# Altium PCB LeVentilateur.PcbDoc (part 1 of 2)
Units mm, origin at the board's own origin, x right, y up, seen from the top; angles counter-clockwise.
Board outline 207.39 x 152.65 mm, 2 copper layers (Top Layer, Bottom Layer); 161 components, 122 nets, 550 pads, 181 vias.
Unrouted connection lines stored in the file: 6.
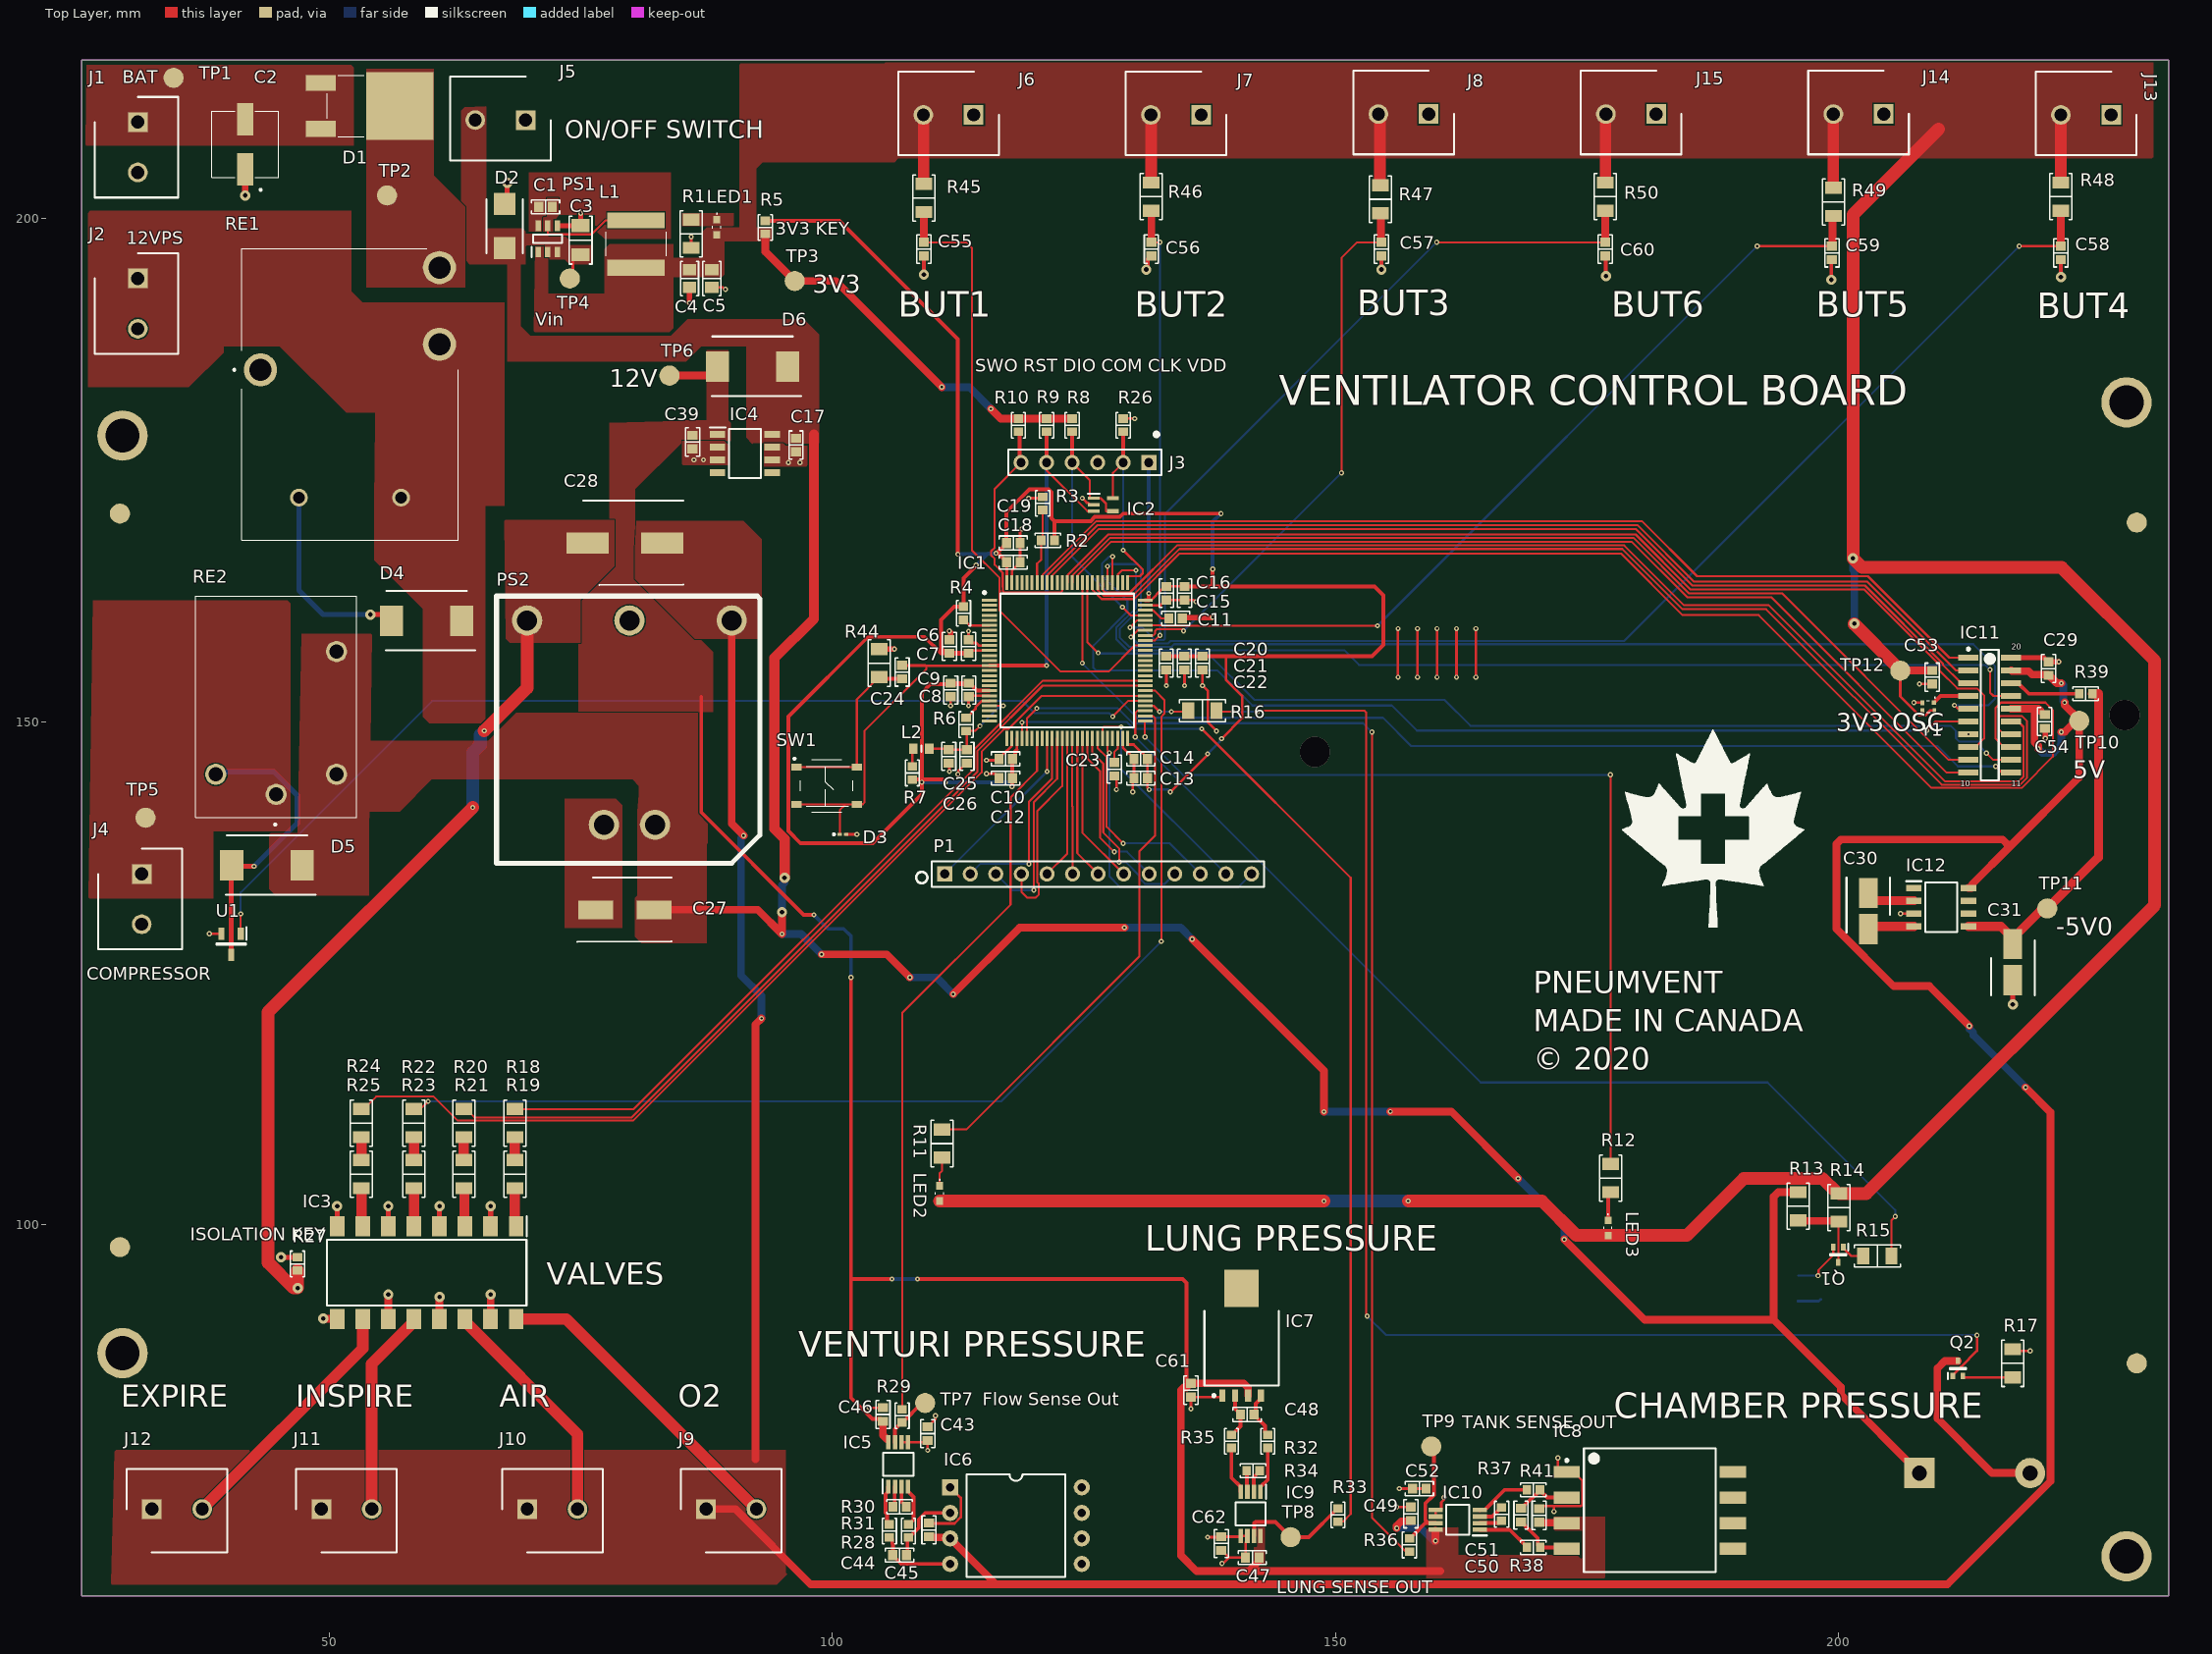
[diagram p0: Top Layer view]
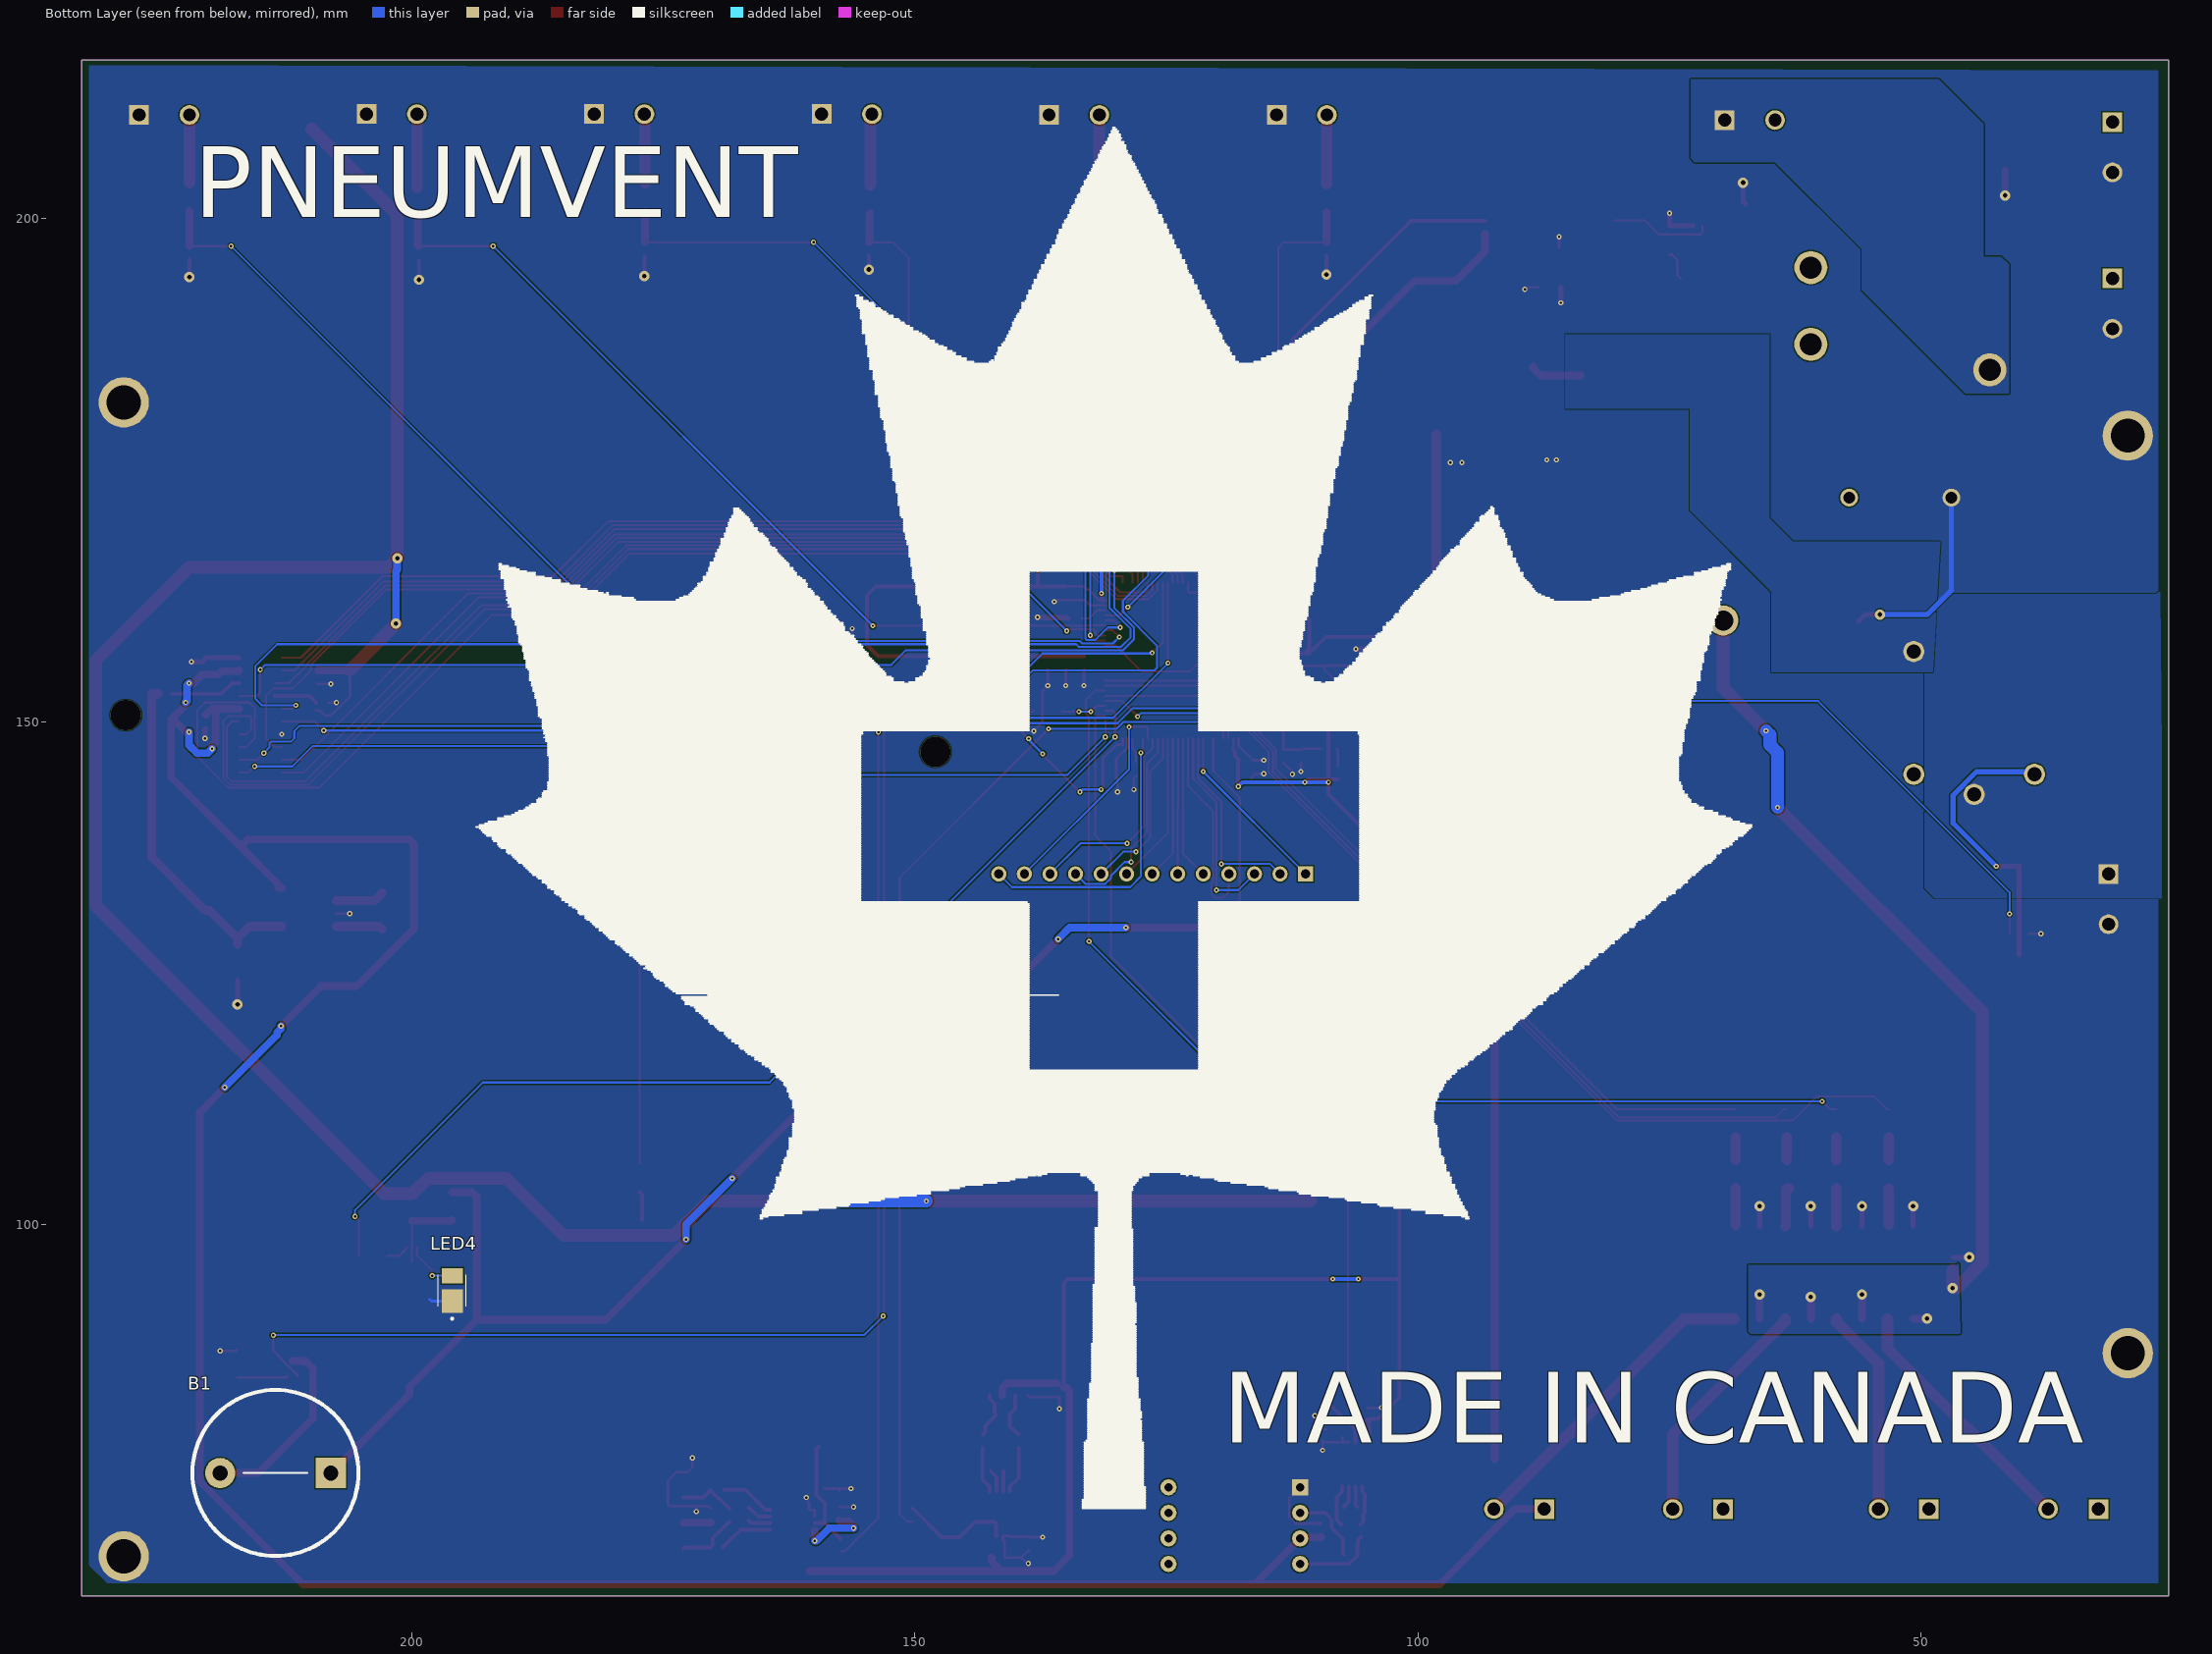
[diagram p1: Bottom Layer view, seen from below]
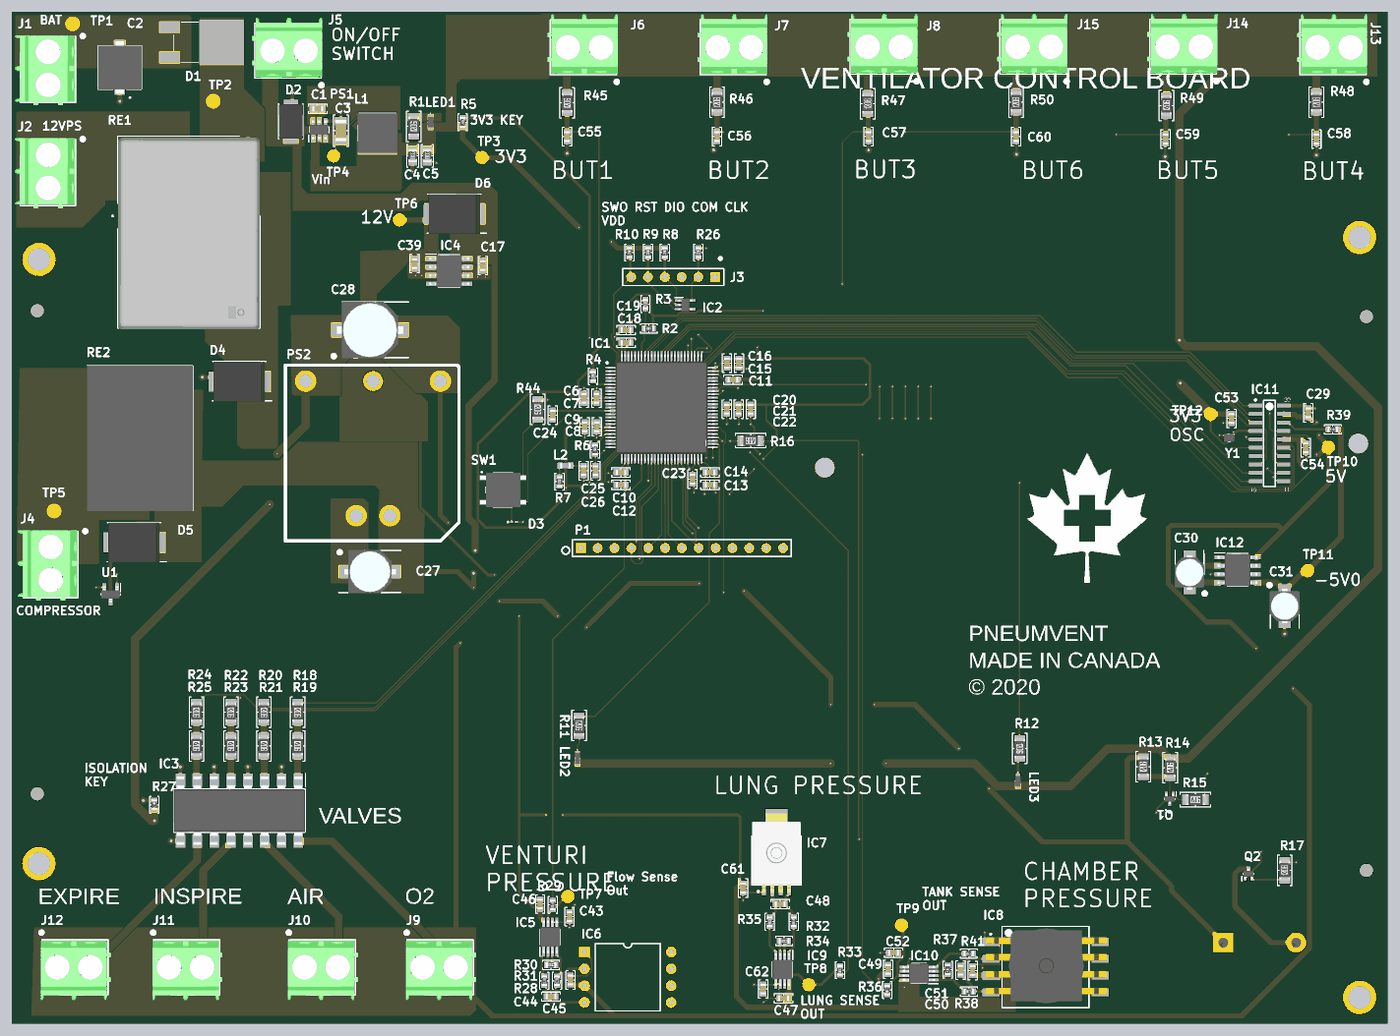
[diagram p3: 3D render of the assembled board from above, using the file's embedded part models]

## Layer stack, top to bottom
Top Solder: solder mask 0.0102, Solder Resist, Dk 3.5
Top Layer: signal copper 0.0356
Dielectric 1: dielectric 0.32, FR-4, Dk 4.8
Bottom Layer: signal copper 0.0356
Bottom Solder: solder mask 0.0102, Solder Resist, Dk 3.5

## Board outline
25.4,63.119 232.791,63.119 232.791,215.773 25.4,215.773

## Design rules (kind name [scope] priority, off if disabled: settings)
Clearance [All] p1: gap=0.127 ignorepadtopadclearanceinfootprint=TRUE
DiffPairsRouting [InDifferentialPairClass('USB')] p1: maxlimit=0.254 minlimit=0.127 mostfreqgap=0.127 toplayer_minwidth=0.127 toplayer_maxwidth=0.127 toplayer_prefwidth=0.127 bottomlayer_minwidth=0.127 bottomlayer_maxwidth=0.127 bottomlayer_prefwidth=0.127 maxuncoupledlength=12.7
HoleSize [All] p1: absolutevalues=TRUE maxlimit=7.62 minlimit=0.2 maxpercent=80.000 minpercent=20.000
MinimumAnnularRing [All] p1: minimumring=0.076
MinimumSolderMaskSliver [All] p1: minsoldermaskwidth=0.127
PlaneConnect [All] p1: planeconnectstyle=Direct reliefexpansion=0.508 reliefentries=4 reliefconductorwidth=0.254 reliefairgap=0.254
PolygonConnect [All] p1: connectstyle=Direct reliefconductorwidth=0.254 reliefentries=4 polygonreliefangle="90 Angle" airgapwidth=0.254
RoutingLayers RoutingLayers_1 [InNet('COM')or InNet('COM_ISO')or InNet('-5V')or InNet('12V_ISO') or InNet('12V_REG')or InNet('3V3') or InNet('5V_REG')or InNet('VBAT') or InNet('Vin')] p1: top layer_v5=TRUE bottom layer_v5=TRUE
RoutingLayers [All] p2: top layer_v5=TRUE bottom layer_v5=TRUE
RoutingPriority [OnLayer('Top Layer')] p1: routingpriority=0
RoutingVias [All] p1: holewidth=0.229 width=0.508 viastyle="Through Hole" minholewidth=0.2 minwidth=0.45 maxholewidth=7.62 maxwidth=7.62
SilkToSilkClearance [All] p1: silktosilkclearance=0.127
SilkToSolderMaskClearance [IsPad] p1: minsilkscreentomaskgap=0.051 clearancetoexposedcopper=TRUE
SolderMaskExpansion [All] p1: expansion=0.102
ViasUnderSMD [All] p1: allowed=TRUE
Width Width_1 [InNet('-5V')or InNet('12V_ISO') or InNet('12V_REG')or InNet('3V3') or InNet('VBAT')] p1: maxlimit=1.524 minlimit=0.254 preferedwidth=0.889
Width Width_2 [All] p2: maxlimit=1.524 minlimit=0.127 preferedwidth=0.381
22 further rules are at their usual default settings.

## Classes and differential pairs
component class 07-Mechanicals: M2 M4 M5 M6 M7 M8 M9 M10 M11 M12 M13 M14 M15 M16 M17 M18 M19 M20 M21 M22 M23 M24 M25 M26 M27 M28 M29 M30 M31 M32 M33 M34 M35 M36 M37 M38
component class "06-User Interface": C29 C30 C31 C53 C54 C55 C56 C57 C58 C59 C60 IC11 IC12 J6 J7 J8 J13 J14 J15 R39 R45 R46 R47 R48 R49 R50 TP10 TP11 TP12 Y1
component class 04-Sensors: C43 C44 C45 C46 C47 C48 C49 C50 C51 C52 C61 C62 IC5 IC6 IC7 IC8 IC9 IC10 R28 R29 R30 R31 R32 R33 R34 R35 R36 R37 R38 R41 TP7 TP8 TP9
component class 02-MCU: C6 C7 C8 C9 C10 C11 C12 C13 C14 C15 C16 C18 C19 C20 C21 C22 C23 C24 C25 C26 D3 IC1 IC2 J3 L2 LED2 LED3 P1 R2 R3 R4 R6 R7 R8 R9 R10 R11 R12 R26 R44 SW1
component class 05-Alarm: B1 LED4 Q1 Q2 R13 R14 R15 R16 R17
component class 03-Actuators: D5 IC3 J4 J9 J10 J11 J12 R18 R19 R20 R21 R22 R23 R24 R25 RE2 TP5 U1
component class 01-Power: C1 C2 C3 C4 C5 C17 C27 C28 C39 D1 D2 D4 D6 IC4 J1 J2 J5 L1 LED1 M1 M2 PS1 PS2 R1 R5 R27 RE1 TP1 TP2 TP3 TP4 TP6
differential pair VC_VOUT: +VC_VOUT_P -VC_VOUT_N
differential pair TP_VOUT: +TP_VOUT_P -TP_VOUT_N
differential pair LP_VOUT: +LP_VOUT_P -LP_VOUT_N

## Components (designator, comment, footprint, x,y, rotation, side; value= is the part's Value field where it differs from the comment)
B1 "Buzzer" Buzzer 208.026,75.338 r0 bottom locked
C1 "0.1uF" "CAP 0603/1608" 71.501,201.168 r0 top locked
C2 "47uF" EEE1HA470XP 41.656,207.391 r0 top locked
C3 "10uF" "CAP 1206/3216" 74.995,197.866 r270 top locked
C4 "22uF" "RES 0805/2012" 85.807,194.056 r90 top locked
C5 "22uF" "RES 0805/2012" 88.011,194.056 r90 top locked
C6 "0.1uF" "CAP 0603/1608" 113.538,157.48 r90 top locked
C7 "0.1uF" "CAP 0603/1608" 111.633,157.48 r90 top locked
C8 "0.1uF" "CAP 0603/1608" 113.564,153.162 r270 top locked
C9 "0.1uF" "CAP 0603/1608" 111.76,153.162 r270 top locked
C10 "0.1uF" "CAP 0603/1608" 117.221,146.304 r180 top locked
C11 "2.2uF" "CAP 0603/1608" 134.112,160.274 r0 top locked
C12 "0.1uF" "CAP 0603/1608" 117.221,144.399 r180 top locked
C13 "0.1uF" "CAP 0603/1608" 130.647,144.399 r180 top locked
C14 "0.1uF" "CAP 0603/1608" 130.647,146.304 r180 top locked
C15 "0.1uF" "CAP 0603/1608" 135.001,162.778 r270 top locked
C16 "0.1uF" "CAP 0603/1608" 133.197,162.778 r270 top locked
C17 "0.33uF" "CAP 0603/1608" 96.393,177.506 r270 top locked
C18 "0.1uF" "CAP 0603/1608" 117.983,167.767 r0 top locked
C19 "0.1uF" "CAP 0603/1608" 117.983,165.862 r0 top locked
C20 "0.1uF" "CAP 0603/1608" 136.779,155.829 r270 top locked
C21 "0.1uF" "CAP 0603/1608" 134.975,155.829 r270 top locked
C22 "4.7uF" "CAP 0603/1608" 133.17,155.829 r270 top locked
C23 "2.2uF" "CAP 0603/1608" 128.016,145.288 r90 top locked
C24 "0.1uF" "CAP 0603/1608" 106.934,154.94 r90 top locked
C25 "0.1uF" "CAP 0603/1608" 111.568,146.558 r270 top locked
C26 "1uF" "CAP 0603/1608" 113.372,146.558 r270 top locked
C27 "47uF" CAPAE630X580N 79.375,131.318 r180 top locked
C28 "470uF" CAPAE830X1050N 79.375,167.767 r180 top locked
C29 "0.1uF" "CAP 0603/1608" 220.853,155.285 r90 top locked
C30 "10uF" CAPAE430X580N 202.946,131.191 r270 top locked
C31 "10uF" CAPAE430X580N 217.297,126.111 r90 top locked
C39 "0.1uF" "CAP 0603/1608" 86.106,177.8 r270 top locked
C43 "0.1uF" "CAP 0603/1608" 109.474,79.248 r90 top locked
C44 "0.1uF" "CAP 0603/1608" 106.68,67.174 r0 top locked
C45 "0.1uF" "CAP 0603/1608" 109.601,69.683 r90 top locked
C46 "0.1uF" "CAP 0603/1608" 105.029,81.153 r270 top locked
C47 "0.1uF" "CAP 0603/1608" 141.732,66.929 r0 top locked
C48 "0.1uF" "CAP 0603/1608" 141.224,81.153 r0 top locked
C49 "0.1uF" "CAP 0603/1608" 157.48,71.283 r270 top locked
C50 "0.1uF" "CAP 0603/1608" 168.428,71.156 r270 top locked
C51 "0.1uF" "CAP 0603/1608" 170.233,71.12 r270 top locked
C52 "0.1uF" "CAP 0603/1608" 158.329,73.787 r0 top locked
C53 "0.1uF" "CAP 0603/1608" 209.296,154.432 r270 top locked
C54 "0.1uF" "CAP 0603/1608" 220.472,150.023 r270 top locked
C55 "0.1uF" "CAP 0603/1608" 109.093,196.977 r270 top locked
C56 "0.1uF" "CAP 0603/1608" 131.699,196.977 r270 top locked
C57 "0.1uF" "CAP 0603/1608" 154.559,196.977 r270 top locked
C58 "0.1uF" "CAP 0603/1608" 222.076,196.596 r270 top locked
C59 "0.1uF" "CAP 0603/1608" 199.324,196.596 r270 top locked
C60 "0.1uF" "CAP 0603/1608" 176.795,196.977 r270 top locked
C61 "0.1uF" "CAP 0603/1608" 135.636,83.566 r270 top locked
C62 "0.1uF" "CAP 0603/1608" 138.641,68.326 r90 top locked
D1 "FERD20H100SB-TR" FERD20H100SBTR 53.086,211.201 r180 top
D2 "SM6T22CAY" DIONM5436X265N 67.437,199.263 r90 top locked
D3 "ESDALC6V1-1U2" ESDALC6V11U2 100.711,138.811 r0 top locked
D4 "SK520TR" DIOM8060X295N 59.69,160.02 r180 top locked
D5 "SK520TR" DIOM8060X295N 43.815,135.726 r180 top locked
D6 "SK520TR" DIOM8060X295N 92.075,185.293 r180 top locked
IC1 "STM32F401VCT6" QFP50P1600X1600X160-100N 123.344,156.083 r0 top locked
IC2 "ESDALC6V1W5" SOT65P210X110-5N 126.929,171.577 r0 top locked
IC3 "LTV-847S" SOP254P1031X450-16N 59.69,95.25 r270 top locked
IC4 "UA78L12ACD" SOIC127P600X175-8N 91.313,176.657 r0 top locked
IC5 "IA" SOP65P490X110-8N 106.553,76.187 r90 top locked
IC6 "DIFF_SENSOR" DIP8_Pressure_Sense 111.708,73.914 r0 top locked
IC7 "50KPA" DPAK127P1219X1008-5N 140.673,88.982 r90 top locked
IC8 "100KPA" SOP127P600-8N 181.229,71.628 r0 top locked
IC9 "IA" SOP65P490X110-8N 141.562,71.269 r270 top locked
IC10 "IA" SOP65P490X110-8N 162.138,70.679 r180 top locked
IC11 "LCD" LCD_CONN 215.011,150.658 r0 top locked
IC12 "LMC7660IM_NOPB" SOIC127P600X175-8N 210.185,131.572 r0 top locked
J1 "2POS TERM" SHDR2W110P0X500_1X2_1000X830X1140P 30.988,209.599 r270 top locked
J2 "2POS TERM" SHDR2W110P0X500_1X2_1000X830X1140P 30.988,194.056 r270 top locked
J3 "Header 6" HDR1X6 131.445,175.768 r180 top locked
J4 "2POS TERM" SHDR2W110P0X500_1X2_1000X830X1140P 31.369,134.874 r270 top locked
J5 "2POS TERM" SHDR2W110P0X500_1X2_1000X830X1140P 69.516,209.804 r180 top locked
J6 "2POS TERM" SHDR2W110P0X500_1X2_1000X830X1140P 114.046,210.312 r180 top locked
J7 "2POS TERM" SHDR2W110P0X500_1X2_1000X830X1140P 136.652,210.312 r180 top locked
J8 "2POS TERM" SHDR2W110P0X500_1X2_1000X830X1140P 159.258,210.393 r180 top locked
J9 "2POS TERM" SHDR2W110P0X500_1X2_1000X830X1140P 87.456,71.755 r0 top locked
J10 "2POS TERM" SHDR2W110P0X500_1X2_1000X830X1140P 69.676,71.755 r0 top locked
J11 "2POS TERM" SHDR2W110P0X500_1X2_1000X830X1140P 49.229,71.755 r0 top locked
J12 "2POS TERM" SHDR2W110P0X500_1X2_1000X830X1140P 32.385,71.755 r0 top locked
J13 "2POS TERM" SHDR2W110P0X500_1X2_1000X830X1140P 227.076,210.312 r180 top locked
J14 "2POS TERM" SHDR2W110P0X500_1X2_1000X830X1140P 204.47,210.393 r180 top locked
J15 "2POS TERM" SHDR2W110P0X500_1X2_1000X830X1140P 181.864,210.393 r180 top locked
L1 "3.9uH" 1255AY100MP3 80.5,197.485 r270 top locked
L2 "FERRITE" BEADC1608X95N 108.839,147.32 r0 top locked
LED1 "GREEN" 150060GS73220 88.519,199.148 r180 top locked
LED2 "GREEN" 150060GS73220 110.66,103.124 r180 top locked
LED3 "RED" 150060GS73220 177.081,99.695 r180 top locked
LED4 "RED" QBHP686IWKCW 195.961,93.472 r270 bottom locked
P1 "Header 13" HDR1X13 111.168,134.874 r0 top locked
PS1 "AP63203WU-7" SOT95P280X100-6N 71.716,197.993 r90 top locked
PS2 "Isolated PS" ISO_PS 79.836,149.915 r180 top locked
Q1 "=\"Part Number\"" SOTFL50P160X70-3N 199.96,97.282 r180 top locked
Q2 "=\"Part Number\"" SOTFL50P160X70-3N 211.836,85.471 r0 top locked
R1 "200R0" "RES 1206/3216" 85.979,198.498 r90 top locked
R2 "0R0" "RES 0603/1608" 121.412,168.021 r0 top locked
R3 "10K" "RES 0603/1608" 120.904,171.704 r270 top locked
R4 "0R0" "RES 0603/1608" 113.03,160.782 r270 top locked
R5 "0R0" "RES 0603/1608" 93.345,199.136 r90 top locked
R6 "47R0" "RES 0603/1608" 113.284,149.733 r90 top locked
R7 "0R0" "RES 0603/1608" 107.95,144.907 r90 top locked
R8 "10K" "RES 0603/1608" 123.825,179.481 r270 top locked
R9 "10K" "RES 0603/1608" 121.285,179.481 r270 top locked
R10 "10K" "RES 0603/1608" 118.491,179.481 r270 top locked
R11 "200R0" "RES 1206/3216" 110.914,108.077 r270 top locked
R12 "200R0" "RES 1206/3216" 177.335,104.648 r270 top locked
R13 "200R0" "RES 1206/3216" 195.961,101.854 r90 top locked
R14 "20R0" "RES 1206/3216" 200.025,101.724 r90 top locked
R15 "20R0" "RES 1206/3216" 203.835,96.911 r0 top locked
R16 "20R0" "RES 1206/3216" 136.776,151.083 r180 top locked
R17 "1K2" "RES 1206/3216" 217.297,86.233 r90 top locked
R18 "200R0" "RES 1206/3216" 68.453,105.029 r270 top locked
R19 "200R0" "RES 1206/3216" 68.453,110.109 r270 top locked
R20 "200R0" "RES 1206/3216" 63.373,105.029 r270 top locked
R21 "200R0" "RES 1206/3216" 63.373,110.109 r270 top locked
R22 "200R0" "RES 1206/3216" 58.42,105.029 r270 top locked
R23 "200R0" "RES 1206/3216" 58.42,110.109 r270 top locked
R24 "200R0" "RES 1206/3216" 53.213,105.029 r270 top locked
R25 "200R0" "RES 1206/3216" 53.213,110.109 r270 top locked
R26 "10K" "RES 0603/1608" 128.905,179.481 r270 top locked
R27 "0R0" "RES 0603/1608" 46.863,96.124 r270 top locked
R28 "100K" "RES 0603/1608" 107.564,69.578 r270 top locked
R29 "0R0" "RES 0603/1608" 106.934,81.011 r270 top locked
R30 "0R0" "RES 0603/1608" 106.68,71.982 r0 top locked
R31 "100K" "RES 0603/1608" 105.664,69.578 r270 top locked
R32 "100K" "RES 0603/1608" 143.266,78.486 r90 top locked
R33 "0R0" "RES 0603/1608" 150.241,71.156 r90 top locked
R34 "0R0" "RES 0603/1608" 141.816,75.565 r0 top locked
R35 "100K" "RES 0603/1608" 139.657,78.486 r90 top locked
R36 "0R0" "RES 0603/1608" 157.353,68.178 r90 top locked
R37 "0R0" "RES 0603/1608" 166.497,71.247 r270 top locked
R38 "100K" "RES 0603/1608" 169.676,67.945 r0 top locked
R39 "0R0" "RES 0603/1608" 224.551,152.781 r0 top locked
R41 "100K" "RES 0603/1608" 169.672,73.66 r0 top locked
R44 "200R0" "RES 1206/3216" 104.648,155.829 r270 top locked
R45 "200R0" "RES 1206/3216" 109.093,202.057 r90 top locked
R46 "200R0" "RES 1206/3216" 131.699,202.184 r90 top locked
R47 "200R0" "RES 1206/3216" 154.441,201.93 r90 top locked
R48 "200R0" "RES 1206/3216" 222.076,202.184 r90 top locked
R49 "200R0" "RES 1206/3216" 199.47,201.673 r90 top locked
R50 "200R0" "RES 1206/3216" 176.784,202.184 r90 top locked
RE1 "RELAY-SPDT" T9GV5L145 43.18,185.039 r0 top locked
RE2 "RELAY-SPST" JSM1A12V4 44.735,142.78 r90 top locked
SW1 "Tactle switch" PTS526SM15SMTR2LFS 99.441,143.637 r0 top locked
TP1 "TP" TP 34.544,213.995 r0 top locked